# Altium PCB CM3_IO_V1.3_20220317.PcbDoc (part 4 of 7) (continued)
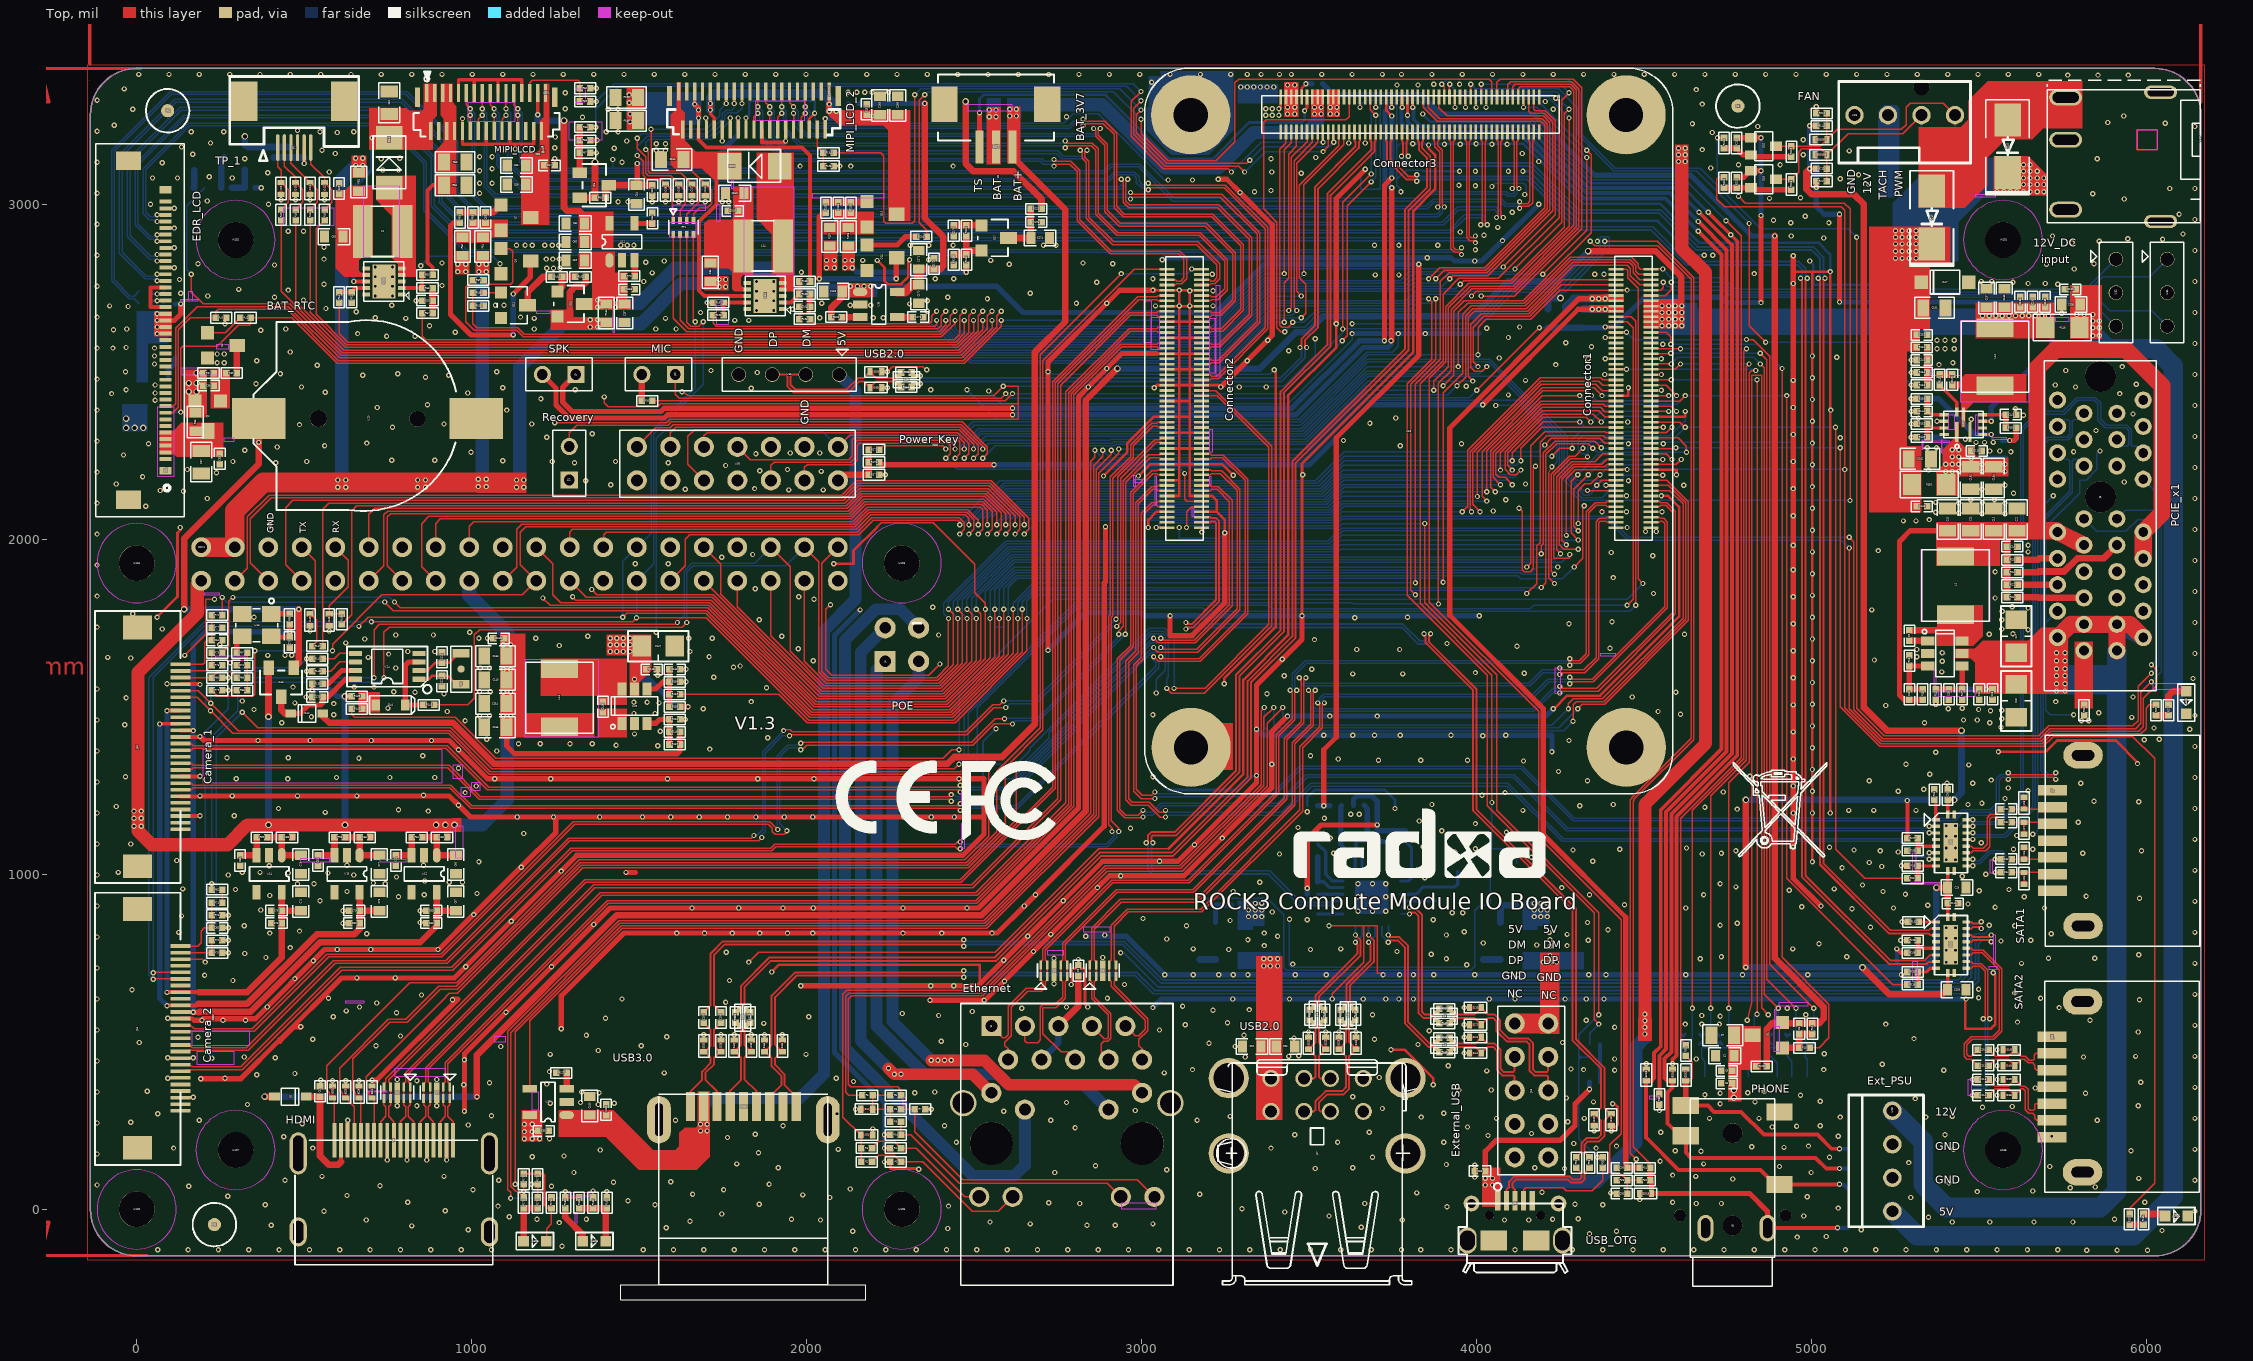
[diagram p0: Top view]
## Nets (pads, with @x,y where several pads share a name; then routed paths per layer and width w, separated by ;. In a path a pad name is that pad's centre, name@x,y a point inside that pad or via, vN(x,y) a via of type N, cw(c..) or ccw(c..) an arc to the next point about the centre after c; other vN are vias at no path point) (continued)
MIPI_CSI_RX_D1N: J14.17 U33.121 | length 3926.1
  Top w3.94: J14.17@131.1,1311.82 163.39,1311.82 169.29,1317.72 929.13,1317.72 1022.44,1224.41 2425.2,1224.41 v1(2431.1,1218.5) ; v1(3057.09,1677.17) 3062.99,1671.26 3164.06,1671.26 3285.43,1792.63 3285.43,2146.1 3234.69,2196.26 3208.66,2196.26 3204.72,2192.32 U33.121@3179.13,2192.32
  Bottom w3.94: v1(2431.1,1218.5) 2440.94,1218.5 2446.85,1224.41 2596.82,1224.41 2813.61,1441.2 2813.61,1447.27 3029.73,1663.39 3043.31,1663.39 v1(3057.09,1677.17)
MIPI_CSI_RX_D1P: J14.16 U33.123 | length 3954.6
  Top w3.94: J14.16@131.1,1331.5 163.39,1331.5 169.29,1325.59 932.4,1325.59 1025.7,1232.28 2425.2,1232.28 v1(2431.1,1238.19) ; v1(3035.43,1677.17) 3035.43,1675.2 3047.24,1663.39 3167.32,1663.39 3293.31,1789.37 3293.31,2150.04 3238.58,2204.13 3208.66,2204.13 3204.72,2208.07 U33.123@3179.13,2208.07
  Bottom w3.94: v1(2431.1,1238.19) 2440.94,1238.19 2446.85,1232.28 2593.56,1232.28 2805.74,1444.46 2805.74,1450.53 3026.46,1671.26 3027.42,1671.26 3034.38,1678.22 v1(3035.43,1677.17)
MIPI_CSI_RX_D2N: J15.14 U33.128 | length 4119.5
  Top w3.94: J15.14@131.1,530.31 155.51,530.31 156.69,531.5 350.39,531.5 572.83,753.94 911.42,753.94 1307.09,1149.61 1885.83,1149.61 1897.64,1137.8 1897.64,1127.95 1905.51,1120.08 1933.09,1120.08 1940.94,1127.94 v1(1940.94,1129.92) ; v1(1982.28,1372.05) 1986.22,1372.05 2000,1385.83 2496.26,1385.83 2560.19,1449.75 2613.24,1449.75 v1(2614.17,1448.82) ; v1(2950.79,1716.54) 2950.28,1716.54 2952.76,1719.01 2952.76,2171.06 3025.59,2243.9 3053.15,2243.9 3057.48,2239.57 U33.128@3075.2,2239.57
  Bottom w3.94: v1(1940.94,1129.92) 1919.29,1151.57 1919.29,1350.39 1946.85,1377.95 1978.35,1377.95 1982.28,1374.02 v1(1982.28,1372.05) ; v1(2614.17,1448.82) 2624.02,1458.66 2692.91,1458.66 v1(2950.79,1716.54)
MIPI_CSI_RX_D2P: J15.13 U33.130 | length 4077.1
  Top w3.94: J15.13@131.1,550 160.63,550 171.26,539.37 344.49,539.37 566.93,761.81 907.48,761.81 1303.15,1157.48 1889.76,1157.48 v1(1913.39,1133.86) ; v1(1982.28,1391.73) 1984.25,1393.7 2492.13,1393.7 2562.99,1464.57 v1(2590.55,1464.57) ; v1(2931.1,1716.54) 2931.1,1726.38 2944.88,1740.16 2944.88,2175.2 3021.65,2251.97 3053.15,2251.97 3056.5,2255.31 U33.130@3075.2,2255.31
  Bottom w3.94: v1(1913.39,1133.86) 1913.39,1135.83 1911.42,1137.8 1911.42,1354.33 1942.91,1385.83 1976.38,1385.83 v1(1982.28,1391.73) ; v1(2590.55,1464.57) 2590.55,1466.54 2688.98,1466.54 2931.1,1708.66 v1(2931.1,1716.54)
MIPI_CSI_RX_D3N: J15.17 U33.134 | length 4095.4
  Top w3.94: J15.17@131.1,471.26 153.54,471.26 156.69,474.41 333.66,474.41 593.5,734.25 927.17,734.25 1293.31,1100.39 1856.3,1100.39 v1(1866.14,1110.24) ; v1(1948.82,1413.39) 1951.77,1416.34 2477.36,1416.34 2559.06,1498.03 v1(2594.49,1498.03) ; v1(2925.2,1740.16) 2937.01,1751.97 2937.01,2183.07 3043.31,2289.37 3059.11,2289.37 3061.67,2286.81 U33.134@3075.2,2286.81
  Bottom w3.94: v1(1866.14,1110.24) 1864.17,1110.24 1864.17,1116.14 1875.98,1127.95 1875.98,1362.2 1927.17,1413.39 v1(1948.82,1413.39) ; v1(2594.49,1498.03) 2606.3,1509.84 2683.07,1509.84 2913.39,1740.16 v1(2925.2,1740.16)
MIPI_CSI_RX_D3P: J15.16 U33.136 | length 4088.4
  Top w3.94: J15.16@131.1,490.94 156.69,490.94 165.35,482.28 326.77,482.28 586.61,742.13 923.23,742.13 1289.37,1108.27 1834.65,1108.27 v1(1842.52,1116.14) ; v1(1931.1,1429.13) 1933.07,1431.1 1950.79,1431.1 1956.69,1425.2 2474.41,1425.2 2555.12,1505.91 2576.77,1505.91 v1(2588.58,1517.72) ; v1(2923.23,1761.81) 2929.13,1767.72 2929.13,2187.01 3019.69,2277.56 3019.69,2277.87 3039.37,2297.55 3053.15,2297.55 3058.16,2302.56 U33.136@3075.2,2302.56
  Bottom w3.94: v1(1842.52,1116.14) 1850.39,1116.14 1868.11,1133.86 1868.11,1366.14 v1(1931.1,1429.13) ; v1(2588.58,1517.72) 2679.13,1517.72 v1(2923.23,1761.81)
MIPI_DSI_TX0_CLKN/LVDS_TX0_CLKN: LCD1.18 U33.169 | length 3040.7
  Top w3.94: LCD1.18@1066.93,3219.5 v1(1066.93,3265.75) ; v1(2958.66,3074.8) 2952.76,3068.9 2952.76,3009.17 2963.89,2998.03 3230.31,2998.03 3328.74,2899.61 3328.74,2669.29 3233.66,2574.21 3208.66,2574.21 3204.72,2570.28 U33.169@3179.13,2570.28
  Bottom w3.94: v1(1066.93,3265.75) 1074.8,3257.87 1074.8,3116.14 1145.67,3045.28 2938.98,3045.28 2952.76,3059.06 2952.76,3068.9 v1(2958.66,3074.8)
MIPI_DSI_TX0_CLKP/LVDS_TX0_CLKP: LCD1.17 U33.171 | length 3030
  Top w3.94: LCD1.17@1055.12,3332.68 1055.12,3297.24 v1(1066.93,3285.43) ; v1(2938.98,3074.8) 2944.88,3068.9 2944.88,3005.91 2960.63,2990.16 3227.05,2990.16 3320.87,2896.34 3320.87,2672.55 3230.4,2582.09 3208.66,2582.09 3204.72,2586.02 U33.171@3179.13,2586.02
  Bottom w3.94: v1(1066.93,3285.43) 1082.68,3269.68 1082.68,3119.4 1148.93,3053.15 2935.04,3053.15 2944.88,3062.99 2944.88,3068.9 v1(2938.98,3074.8)
MIPI_DSI_TX0_D0N/LVDS_TX0_D0N: LCD1.21 U33.157 | length 3147.2
  Top w3.94: v1(1102.36,3285.43) LCD1.21@1102.36,3332.68 ; v1(3019.69,3062.99) 3025.59,3057.09 3250,3057.09 3375.98,2931.1 3375.98,2627.95 3227.76,2479.72 3208.66,2479.72 3204.72,2475.79 U33.157@3179.13,2475.79
  Bottom w3.94: v1(1102.36,3285.43) 1116.14,3271.65 1116.14,3123.34 1162.71,3076.77 2898.31,3076.77 2918,3096.46 2978.35,3096.46 2992.13,3082.68 2992.13,3068.22 3003.26,3057.09 3013.78,3057.09 v1(3019.69,3062.99)
MIPI_DSI_TX0_D0P/LVDS_TX0_D0P: LCD1.20 U33.159 | length 3115.1
  Top w3.94: LCD1.20@1090.55,3219.5 1090.55,3253.94 v1(1102.36,3265.75) ; v1(3019.69,3043.31) 3025.59,3049.21 3246.74,3049.21 3368.11,2927.84 3368.11,2631.21 3224.49,2487.6 3208.66,2487.6 3204.72,2491.54 U33.159@3179.13,2491.54
  Bottom w3.94: v1(1102.36,3265.75) 1108.27,3259.84 1108.27,3120.08 1159.45,3068.9 2901.57,3068.9 2921.26,3088.58 2975.09,3088.58 2984.25,3079.42 2984.25,3064.96 3000,3049.21 3013.78,3049.21 v1(3019.69,3043.31)
MIPI_DSI_TX0_D1N/LVDS_TX0_D1N: LCD1.15 U33.163 | length 3144.9
  Top w3.94: v1(1031.5,3285.43) LCD1.15@1031.49,3332.68 ; v1(2966.54,3035.43) 2972.44,3029.53 3238.19,3029.53 3352.36,2915.35 3352.36,2647.64 3231.69,2526.97 3208.66,2526.97 3204.72,2523.03 U33.163@3179.13,2523.03
  Bottom w3.94: v1(1031.5,3285.43) 1045.28,3271.65 1045.28,3056.41 1072.16,3029.53 2960.63,3029.53 v1(2966.54,3035.43)
MIPI_DSI_TX0_D1P/LVDS_TX0_D1P: LCD1.14 U33.165 | length 3112.8
  Top w3.94: LCD1.14@1019.68,3219.5 1019.68,3253.94 v1(1031.5,3265.75) ; v1(2966.54,3015.75) 2972.44,3021.65 3234.93,3021.65 3344.49,2912.09 3344.49,2650.9 3228.43,2534.84 3208.66,2534.84 3204.72,2538.78 U33.165@3179.13,2538.78
  Bottom w3.94: v1(1031.5,3265.75) 1037.4,3259.84 1037.4,3053.15 1068.9,3021.65 2960.63,3021.65 v1(2966.54,3015.75)
MIPI_DSI_TX0_D2N/LVDS_TX0_D2N: J24.3 LCD1.12 | length 3707.8
  Top w3.94: LCD1.12@996.06,3219.5 v1(996.06,3265.75) ; v1(4127.95,2988.19) 4133.86,2994.09 4155.51,2994.09 4166.73,3005.31 4166.73,3187.01 4170.67,3190.94 J24.3@4170.67,3216.14
  Bottom w3.94: v1(996.06,3265.75) 1001.97,3259.84 1001.97,3023.62 1039.37,2986.22 3832.68,2986.22 3851.69,2986.22 3873.34,3007.87 4070.87,3007.87 4084.65,2994.09 4122.05,2994.09 v1(4127.95,2988.19)
MIPI_DSI_TX0_D2P/LVDS_TX0_D2P: J24.5 LCD1.11 | length 3712.9
  Top w3.94: LCD1.11@984.25,3332.68 984.25,3297.24 v1(996.06,3285.43) ; v1(4127.95,3007.87) 4133.86,3001.97 4151.57,3001.97 4158.86,3009.25 4158.86,3187.01 4154.92,3190.94 J24.5@4154.92,3216.14
  Bottom w3.94: v1(996.06,3285.43) 1009.84,3271.65 1009.84,3026.88 1042.63,2994.09 3848.43,2994.09 3870.08,3015.75 4041.34,3015.75 4074.13,3015.75 4087.91,3001.97 4120.08,3001.97 4127.95,3009.84 v1(4127.95,3007.87)
MIPI_DSI_TX0_D3N/LVDS_TX0_D3N: J24.9 LCD1.24 | length 3434.9
  Top w3.94: LCD1.24@1137.79,3219.5 v1(1137.8,3265.75) ; J24.9@4123.43,3216.14 4123.43,3190.94 4119.49,3187.01 4119.49,3053.15 4120.08,3053.15 v1(4125.98,3047.24)
  Bottom w3.94: v1(1137.8,3265.75) 1143.7,3259.84 1143.7,3125.98 1177.17,3092.52 2889.76,3092.52 2909.45,3112.2 2990.83,3112.2 3093.2,3009.84 3791.34,3009.84 3835.94,3009.84 3855.62,3029.53 4086.61,3029.53 4092.52,3023.62 4112.2,3023.62 4120.08,3031.5 4120.08,3041.34 v1(4125.98,3047.24)
MIPI_DSI_TX0_D3P/LVDS_TX0_D3P: J24.11 LCD1.23 | length 3436.4
  Top w3.94: LCD1.23@1125.98,3332.68 1125.98,3297.24 v1(1137.8,3285.43) ; v1(4106.3,3047.24) 4106.3,3047.83 4111.61,3053.15 4111.61,3187.01 4107.68,3190.94 J24.11@4107.68,3216.14
  Bottom w3.94: v1(1137.8,3285.43) 1151.57,3271.65 1151.57,3129.25 1180.43,3100.39 2886.5,3100.39 2906.19,3120.08 2994.09,3120.08 3096.46,3017.72 3832.68,3017.72 3852.36,3037.4 4082.68,3037.4 4089.88,3037.4 4095.78,3031.5 4108.27,3031.5 4112.2,3035.43 4112.2,3041.34 v1(4106.3,3047.24)
MIPI_DSI_TX1_CLKN: U33.187 U90074.13 | length 1892.7
  Top w3.94: v1(1925.2,3291.34) U90074.13@1925.2,3336.61 ; v1(2771.65,3188.98) 2777.56,3183.07 2852.36,3183.07 2870.08,3165.35 2870.08,2973.73 2928.46,2915.35 3174.86,2915.35 3255.91,2834.31 3255.91,2744.09 3226.38,2715.94 3208.66,2715.94 3204.72,2712.01 U33.187@3179.13,2712.01
  Bottom w3.94: v1(1925.2,3291.34) 1938.98,3277.56 1938.98,3225.7 1981.61,3183.07 2765.75,3183.07 v1(2771.65,3188.98)
MIPI_DSI_TX1_CLKP: U33.189 U90074.14 | length 1864.5
  Top w3.94: U90074.14@1913.39,3223.43 1913.39,3259.84 v1(1925.2,3271.65) ; v1(2771.65,3169.29) 2777.56,3175.2 2849.1,3175.2 2862.2,3162.09 2862.2,2970.47 2925.2,2907.48 3171.6,2907.48 3248.03,2831.05 3248.03,2747.57 3223.12,2723.82 3208.66,2723.82 3204.72,2727.76 U33.189@3179.13,2727.76
  Bottom w3.94: v1(1925.2,3271.65) 1931.1,3265.75 1931.1,3222.44 1978.35,3175.2 2765.75,3175.2 v1(2771.65,3169.29)
MIPI_DSI_TX1_D0N: U33.175 U90074.7 | length 2032.6
  Top w3.94: v1(1996.06,3291.34) U90074.7@1996.06,3336.61 ; v1(2824.8,3253.94) 2830.71,3248.03 2889.76,3248.03 2925.2,3212.6 2925.2,2993.76 2948.48,2970.47 3212.26,2970.47 3303.15,2879.58 3303.15,2876.32 3303.15,2683.41 3241.2,2621.46 3208.66,2621.46 3204.72,2617.52 U33.175@3179.13,2617.52
  Bottom w3.94: v1(1996.06,3291.34) 2009.84,3277.56 2009.84,3247.36 2022.95,3234.25 2781.5,3234.25 2795.28,3248.03 2818.9,3248.03 v1(2824.8,3253.94)
MIPI_DSI_TX1_D0P: U33.177 U90074.8 | length 2004
  Top w3.94: U90074.8@1984.25,3223.43 1984.25,3259.84 v1(1996.06,3271.65) ; v1(2824.8,3234.25) 2830.71,3240.16 2885.83,3240.16 2917.32,3208.66 2917.32,2990.5 2945.22,2962.6 3209,2962.6 3295.28,2876.32 3295.28,2686.67 3237.94,2629.33 3208.66,2629.33 3204.72,2633.27 U33.177@3179.13,2633.27
  Bottom w3.94: v1(1996.06,3271.65) 2001.97,3265.75 2001.97,3244.09 2019.69,3226.38 2649.61,3226.38 2784.76,3226.38 2798.54,3240.16 2818.9,3240.16 v1(2824.8,3234.25)
MIPI_DSI_TX1_D1N: U33.181 U90074.10 | length 1983.6
  Top w3.94: U90074.10@1960.63,3223.43 v1(1960.63,3271.65) ; v1(2875.98,3226.38) 2870.08,3220.47 2870.08,3206.69 2897.64,3179.13 2897.64,2981.61 2936.33,2942.91 3192.58,2942.91 3279.53,2855.96 3279.53,2712.6 3236.22,2668.7 3208.66,2668.7 3204.72,2664.76 U33.181@3179.13,2664.76
  Bottom w3.94: v1(1960.63,3271.65) 1966.54,3265.75 1966.54,3232.28 1996.06,3202.76 2862.2,3202.76 2870.08,3210.63 2870.08,3220.47 v1(2875.98,3226.38)
MIPI_DSI_TX1_D1P: U33.183 U90074.11 | length 1968.9
  Top w3.94: U90074.11@1948.82,3336.61 1948.82,3303.15 v1(1960.63,3291.34) ; v1(2856.3,3226.38) 2862.2,3220.47 2862.2,3208.66 2862.2,3203.43 2889.76,3175.87 2889.76,2978.35 2933.07,2935.04 3189.31,2935.04 3271.65,2852.7 3271.65,2715.86 3232.9,2676.57 3208.66,2676.57 3204.72,2680.51 U33.183@3179.13,2680.51
  Bottom w3.94: v1(1960.63,3291.34) 1974.41,3277.56 1974.41,3235.54 1999.32,3210.63 2858.27,3210.63 2862.2,3214.57 2862.2,3220.47 v1(2856.3,3226.38)
MIPI_DSI_TX1_D2N: U33.193 U90074.16 | length 1868.2
  Top w3.94: U90074.16@1889.76,3223.43 v1(1889.76,3271.65) ; v1(2836.61,3161.42) 2830.71,3155.51 2830.71,3141.06 2842.52,3129.25 2842.52,2961.92 2916.65,2887.8 3166.99,2887.8 3232.28,2822.5 3232.28,2777.34 3218.13,2763.19 3207.48,2763.19 3203.54,2759.25 U33.193@3179.13,2759.25
  Bottom w3.94: v1(1889.76,3271.65) 1895.67,3265.75 1895.67,3198.82 1942.91,3151.57 2746.06,3151.57 2761.81,3135.83 2822.83,3135.83 2830.71,3143.7 2830.71,3155.51 v1(2836.61,3161.42)
MIPI_DSI_TX1_D2P: U33.195 U90074.17 | length 1853.2
  Top w3.94: U90074.17@1877.95,3336.61 1877.95,3303.15 v1(1889.76,3291.34) ; v1(2816.93,3161.42) 2822.83,3155.51 2822.83,3137.8 2834.65,3125.98 2834.65,2958.66 2913.39,2879.92 3163.72,2879.92 3224.41,2819.24 3224.41,2780.6 3214.87,2771.06 3207.48,2771.06 3203.54,2775 U33.195@3179.13,2775
  Bottom w3.94: v1(1889.76,3291.34) 1903.54,3277.56 1903.54,3202.76 1946.85,3159.45 2746.06,3159.45 2749.32,3159.45 2765.07,3143.7 2818.9,3143.7 2822.83,3147.64 2822.83,3155.51 v1(2816.93,3161.42)
MIPI_DSI_TX1_D3N: U33.194 U90074.19 | length 1776.3
  Top w3.94: v1(1854.33,3291.34) U90074.19@1854.33,3336.61 ; v1(2738.19,3133.86) 2744.09,3127.95 2775.59,3127.95 2788.69,3127.95 2814.96,3101.69 2814.96,2954.05 2908.77,2860.24 3113.84,2860.24 3133.86,2840.21 3133.86,2777.31 3119.74,2763.19 3104.33,2763.19 3100.39,2759.25 U33.194@3075.2,2759.25
  Bottom w3.94: v1(1854.33,3291.34) 1868.11,3277.56 1868.11,3202.08 1934.36,3135.83 2663.39,3135.83 2702.08,3135.83 2709.95,3127.95 2732.28,3127.95 v1(2738.19,3133.86)
MIPI_DSI_TX1_D3P: U33.196 U90074.20 | length 1748.1
  Top w3.94: U90074.20@1842.52,3223.43 1842.52,3259.84 v1(1854.33,3271.65) ; v1(2738.19,3114.17) 2744.09,3120.08 2785.43,3120.08 2807.09,3098.42 2807.09,2950.79 2905.51,2852.36 3110.57,2852.36 3125.98,2836.95 3125.98,2780.57 3116.48,2771.06 3104.33,2771.06 3100.39,2775 U33.196@3075.2,2775
  Bottom w3.94: v1(1854.33,3271.65) 1860.24,3265.75 1860.24,3198.82 1931.1,3127.95 2698.82,3127.95 2706.69,3120.08 2732.28,3120.08 v1(2738.19,3114.17)
MIPI_LCD_BL_1: J24.36 R57.1 | length 4587.6
  Top w3.94: R57.1@852.36,2675.2 852.36,2606.3 862.2,2596.46 2441.12,2596.46 2456.69,2612.03 2456.69,2667.32 v1(2470.47,2681.1) ; J24.36@3918.7,3320.08 3918.7,3357.68 v1(3919.29,3358.27) ; v1(3950.79,2761.81) 3960.63,2771.65 4101.8,2771.65 4261.81,2931.66 4261.81,3269.68 v1(4275.59,3283.46)
  Bottom w3.94: v1(2470.47,2681.1) 2456.69,2667.32 2456.69,2625.87 2509.73,2572.83 3236.34,2572.83 3376.1,2712.6 3789.37,2712.6 3824.8,2748.03 3937.01,2748.03 v1(3950.79,2761.81) ; v1(3919.29,3358.27) 3940.94,3336.61 4238.19,3336.61 4253.94,3320.87 4253.94,3305.12 v1(4275.59,3283.46)
MIPI_LCD_BL_2: J24.93 R193.1 | length 2187
  Top w3.94: R193.1@2009.84,2657.48 2023.62,2643.7 2366.14,2643.7 2374.02,2651.57 2374.02,2667.32 v1(2387.8,2681.1) ; v1(3425.2,2647.64) 3425.2,2765.75 3438.98,2779.53 3438.98,3150.2 3462.01,3173.23 J24.93@3462.01,3216.14
  Bottom w3.94: v1(2387.8,2681.1) 2374.02,2667.32 2374.02,2641.73 2490.16,2525.59 3255.91,2525.59 3377.95,2647.64 v1(3425.2,2647.64)
MIPI_LCD_EN_1: J24.18 R69.1 | length 4452.8
  Top w3.94: R69.1@1003.94,2773.62 982.28,2751.97 982.28,2649.61 1007.87,2624.02 1133.86,2624.02 1153.54,2604.33 2401.57,2604.33 2442.91,2645.67 v1(2442.91,2653.54) ; v1(4013.78,2726.38) 4112.2,2726.38 4312.99,2927.17 4312.99,3348.43 4287.4,3374.02 4070.28,3374.02 4060.43,3364.17 J24.18@4060.43,3320.08
  Bottom w3.94: v1(2442.91,2653.54) 2442.91,2628.51 2506.47,2564.96 3239.6,2564.96 3379.36,2704.72 3795.28,2704.72 3830.71,2740.16 4000,2740.16 v1(4013.78,2726.38)
MIPI_LCD_EN_2: J24.20 R204.1 | length 2499.2
  Top w3.94: v1(2352.36,3326.77) 2336.61,3311.02 2336.61,2944.88 2358.27,2923.23 R204.1@2358.27,2903.54 ; v1(2998.03,3253.94) 2998.03,3210.57 3078.68,3129.92 3220.47,3129.92 3277.56,3187.01 3277.56,3362.2 3289.37,3374.02 4036.81,3374.02 4044.69,3366.14 J24.20@4044.69,3320.08
  Bottom w3.94: v1(2352.36,3326.77) 2362.2,3336.61 2915.35,3336.61 v1(2998.03,3253.94)
MIPI_RESET_1: J24.83 R59.1 | length 2506.5
  Top w3.94: R59.1@1354.33,3307.09 v1(1372.05,3307.09) ; v1(2998.03,3336.61) 2968.5,3307.09 2968.5,3202.76 3064.96,3106.3 3257.87,3106.3 v1(3267.72,3096.46) ; J24.83@3540.75,3216.14 3541.34,3215.55 v1(3541.34,3185.04)
  Bottom w3.94: v1(1372.05,3307.09) 1425.2,3360.24 2974.41,3360.24 v1(2998.03,3336.61) ; v1(3267.72,3096.46) 3356.3,3185.04 v1(3541.34,3185.04)
MIPI_RESET_2: J24.79 R194.1 | length 2289.2
  Top w3.94: R194.1@2080.71,3153.54 2220.47,3153.54 2230.31,3143.7 2230.31,2948.82 2236.22,2942.91 2314.96,2942.91 2322.83,2950.79 v1(2322.83,3326.77) ; v1(2998.03,3281.5) 2984.25,3267.72 2984.25,3213.22 3075.42,3122.05 3312.99,3122.05 v1(3322.83,3131.89) ; J24.79@3572.24,3216.14 3572.83,3215.55 v1(3572.83,3185.04)
  Bottom w3.94: v1(2322.83,3326.77) 2340.55,3344.49 2935.04,3344.49 v1(2998.03,3281.5) ; v1(3322.83,3131.89) 3362.2,3171.26 3559.06,3171.26 v1(3572.83,3185.04)
N17781029: LED3.1 R175.2 R178.2 | length 140.4
  Top w19.68: LED3.1@1154.78,-94.43 1155.51,-94.43 R175.2@1155.51,3.94 R178.2@1196.85,3.94
N17781033: LED4.1 R180.2 | length 120.1
  Top w19.68: R180.2@1279.53,3.94 1279.53,-23.62 1331.95,-76.04 LED4.1@1331.95,-94.43
N17781361: LED3.2 R173.1 R174.1 R179.1 | length 280.5
  Top w3.94: LED3.2@1223.17,-94.54 1224.41,-93.31 1224.41,-57.09 1238.19,-43.31 R174.1@1238.19,3.94
  Top w7.87: R173.1@1155.51,106.3 R179.1@1196.85,106.3 1212.6,106.3 1216.54,102.36 1216.54,15.75 1228.35,3.94 R174.1@1238.19,3.94
N17782008: LED4.2 R181.1 R182.1 R183.1 | length 182.5
  Top w19.68: R181.1@1320.87,3.94 R183.1@1362.2,3.94 R182.1@1403.54,3.94 1400.34,0.73 LED4.2@1400.34,-94.54
N17782924: R172.1 R176.1 R177.1 U30.13 | length 173.5
  Top w19.68: U30.13@2093.31,2175.98 2110.24,2192.91 R177.1@2185.04,2192.91 R176.1@2185.04,2230.31 R172.1@2185.04,2267.72
N17810979: J6.A1 R20.1 | length 162.1
  Top w19.68: 5812.2,1529.53 5812.2,1506.69 R20.1@5812.99,1505.91
  Top w51.18: 5812.2,1529.53 J6.A1@5812.2,1667.72
N17813907: C19.1 R14.2 R17.1 U7.4 | length 147.6
  Top w15.75: R14.2@5370.08,1553.15 C19.1@5409.45,1553.15 R17.1@5448.82,1553.15 U7.4@5448.82,1622.05
N17813952: C9.2 L1.1 U7.6 | length 189
  Top w19.68: C9.2@5291.34,1728.35 5448.82,1728.35 U7.6@5448.82,1696.85
N17813954: C9.1 U7.1 | length 55.1
  Top w19.68: C9.1@5291.34,1696.85 U7.1@5346.46,1696.85
N17813970: C12.2 R15.2 R18.1 U7.3 | length 163.4
  Top w15.75: R15.2@5330.71,1553.15 C12.2@5291.34,1553.15 R18.1@5291.34,1622.05 U7.3@5346.46,1622.05
N17814312: J6.B9 R24.2 | length 330.1
  Top w19.68: R24.2@5614.17,1901.57 5675.49,1901.57 5677.85,1903.94 5753.15,1903.94 5792.52,1943.31 5871.26,1943.31 J6.B9@5910.63,1982.68
N17814521: J6.A6 R22.1 | length 119.5
  Top w19.68: R22.1@5614.17,1864.17 5665.75,1864.17 5666.14,1864.57 J6.A6@5733.46,1864.57
N17814522: J6.A8 R23.1 | length 121.1
  Top w19.68: R23.1@5614.17,1938.98 5675.49,1938.98 5679.82,1943.31 J6.A8@5733.46,1943.31
N17814531: J6.A5 R21.1 | length 198.7
  Top w19.68: R21.1@5614.17,1826.77 5676.6,1826.77 5678.18,1825.2 J6.A5@5812.2,1825.2
N17820323: J16.2 R92.1 | length 324.3
  Top w5.91: J16.2@4088.58,25.59 4088.58,59.06 4096.46,66.93 4096.46,82.68 4112.2,98.43 4276.71,98.43 4285.57,89.57 4308,89.57 4312.01,93.57 4312.01,109.25 R92.1@4297.24,124.02
N17820324: J16.3 R93.1 | length 324.3
  Top w5.91: J16.3@4114.17,25.59 4114.17,59.06 4106.3,66.93 4106.3,78.6 4116.28,88.58 4272.64,88.58 4281.5,79.72 4312.08,79.72 4321.85,89.5 4321.85,109.25 R93.1@4336.61,124.02
N17820781: R98.1 R99.1 R100.1 R101.1 | length 112.2
  Bottom w11.81: R100.1@4368.11,379.92 R101.1@4368.11,417.32 R99.1@4368.11,454.72 R98.1@4368.11,492.13
N17835631: D22.2 J17.3 L6.1 R110.2 | length 395.2
  Top w3.94: L6.1@3626.97,554.13 3627.95,555.11 R110.2@3637.8,564.96
  Top w5.91: J17.3@3562.99,292.52 3533.46,292.52 3528.54,297.44 3528.54,318.83 3553.22,343.5 3602.43,343.5 3619.09,360.17 3619.09,457.68 D22.2@3639.76,478.35 3619.09,499.02 3619.09,546.25 L6.1@3626.97,554.13
N17835635: D23.2 J17.2 L6.3 R112.2 | length 393.6
  Top w3.94: R112.2@3594.49,564.96 3604.33,555.12 L6.3@3605.31,554.13
  Top w5.91: J17.2@3484.25,292.52 3513.78,292.52 3518.7,297.44 3518.7,322.9 3549.14,353.35 3598.36,353.35 3609.25,364.24 3609.25,457.68 D23.2@3588.58,478.35 3609.25,499.02 3609.25,550.19 L6.3@3605.31,554.13
N17835643: D21.2 J17.7 L5.1 R109.2 | length 230.8
  Top w3.94: L5.1@3534.45,556.1 3536.41,556.1 R109.2@3545.28,564.96
  Top w5.91: L5.1@3534.45,556.1 3528.54,550.19 3528.54,499.02 D21.2@3549.21,478.35 3528.54,457.68 3528.54,395.87 3533.46,390.94 J17.7@3562.99,390.94
N17835661: D20.2 J17.6 L5.3 R111.2 | length 231.6
  Top w3.94: R111.2@3501.97,564.96 3511.81,555.12 L5.3@3512.79,556.1
  Top w5.91: J17.6@3484.25,390.94 3513.78,390.94 3518.7,395.87 3518.7,457.68 D20.2@3498.03,478.35 3518.7,499.02 3518.7,550.19 L5.3@3512.79,556.1
N17836003: R115.1 U18.3 | length 47.2
  Bottom w19.68: R115.1@3173.23,746.06 U18.3@3220.47,746.06
N17837061: D26.2 J18.4 L8.1 R117.2 | length 496.1
  Top w3.94: R117.2@3919.29,598.43 3919.29,596.46 L8.1@3928.15,587.6
  Top w5.91: L8.1@3928.15,587.6 3934.06,581.69 3993.11,581.69 D26.2@4013.78,602.36 4034.45,581.69 4053.29,581.69 4068.9,566.08 4068.9,536.49 4094.56,510.83 4153.61,510.83 4167.32,497.12 4167.32,418.38 4175.66,410.04 4208.48,410.04 4213.39,414.95 J18.4@4213.39,455.12
N17837065: D27.2 J18.6 L8.3 R122.2 | length 496.1
  Top w3.94: R122.2@3919.29,555.12 3919.29,557.08 L8.3@3928.15,565.94
  Top w5.91: L8.3@3928.15,565.94 3934.06,571.85 3993.11,571.85 D27.2@4013.78,551.18 4034.45,571.85 4049.21,571.85 4059.06,562.01 4059.06,532.41 4090.48,500.98 4149.54,500.98 4157.48,493.04 4157.48,414.3 4171.58,400.2 4208.48,400.2 4213.39,395.29 J18.6@4213.39,355.12
N17837073: D25.2 J18.3 L7.1 R116.2 | length 333.4
  Top w3.94: R116.2@3919.29,511.81 L7.1@3929.6,501.51 ; L7.1@3928.15,500.99 3931.11,498.03 L7.1@3933.07,498.03
  Top w5.91: L7.1@3929.6,501.51 3933.07,498.03 3936.02,495.08 3995.08,495.08 D25.2@4013.78,513.78 4032.48,495.08 4053.15,495.08 4070.87,476.38 4070.87,420.02 4080.85,410.04 4108.46,410.04 4113.39,414.96 J18.3@4113.39,455.12
N17837091: D24.2 J18.5 L7.3 R121.2 | length 329.1
  Top w3.94: R121.2@3919.29,468.5 3929.13,478.35 L7.3@3928.15,479.33
  Top w5.91: L7.3@3928.15,479.33 3934.06,485.24 3995.08,485.24 D24.2@4013.78,466.54 4032.48,485.24 4048.77,485.24 4061.02,472.3 4061.02,415.94 4076.77,400.2 4108.46,400.2 4113.39,395.28 J18.5@4113.39,355.12
N17839966: R118.2 R120.1 U19.4 | length 98.4
  Bottom w19.68: U19.4@4070.87,856.3 R120.1@4070.87,907.48 R118.2@4118.11,907.48
N17839975: R119.1 U19.3 | length 51.2
  Bottom w19.68: R119.1@4019.69,746.06 U19.3@4070.87,746.06
N17840574: D45.1 D46.1 U37.1
N17841639: R140.2 U24.6 | length 109.9
  Top w3.94: R140.2@555.12,1606.3 578.74,1606.3 606.41,1633.97 U24.6@653.53,1633.97
N17841777: D44.1 R139.2 R142.2
N17841779: R141.2 U24.5 | length 105
  Top w3.94: R141.2@555.12,1643.7 590.44,1643.7 606.3,1659.56 U24.5@653.53,1659.56
N17841795: C124.1 U24.2 Y2.2 | length 147.1
  Top w7.87: U24.2@842.51,1608.38 868.11,1608.38 891.62,1631.89 C124.1@911.42,1631.89 933.07,1631.89 960.63,1659.45 Y2.2@968.5,1659.45
N17841829: C123.1 U24.1 Y2.1 | length 140.6
  Top w7.87: U24.1@842.51,1582.79 872.05,1582.79 881.78,1592.52 C123.1@911.42,1592.52 929.13,1592.52 952.76,1568.9 966.54,1568.9 Y2.1@968.5,1566.93
N17841853: D44.2 R143.2 U24.3 | length 217.5
  Top w15.75: U24.3@842.51,1633.97 811.72,1633.97 801.77,1624.02 D44.2@801.77,1505.91 R143.2@856.3,1505.91
N17857255: J16.4 R95.1 | length 326.7
  Top w3.94: J16.4@4139.76,25.59 4139.76,59.06 4145.67,64.96 4257.87,64.96 4267.72,55.12 4344.49,55.12 4375.98,86.61 R95.1@4375.98,124.02
N17857883: D30.2 L10.1 R124.2 U36.3 | length 461.6
  Top w3.94: L10.1@2272.63,2465.55 2281.5,2456.69 R124.2@2281.5,2454.72
  Top w5.91: U36.3@1897.24,2491.73 1937.41,2491.73 1942.32,2486.82 1942.32,2456.69 1961.02,2437.99 2124.09,2437.99 2157.55,2471.46 2170.28,2471.46 D30.2@2188.98,2452.76 2207.68,2471.46 2266.73,2471.46 L10.1@2272.63,2465.55
N17857891: D31.2 L10.3 R126.2 U36.2 | length 445.3
  Top w3.94: L10.3@2272.63,2487.21 2281.5,2496.07 R126.2@2281.5,2498.03
  Top w5.91: U36.2@1997.24,2491.73 1957.08,2491.73 1952.17,2486.82 1952.17,2460.77 1965.1,2447.83 2120.01,2447.83 2153.47,2481.3 2170.28,2481.3 D31.2@2188.98,2500 2207.68,2481.3 2266.73,2481.3 L10.3@2272.63,2487.21
N17858999: D37.2 L11.2 R128.1 USB6.2 | length 289.7
  Top w5.91: USB6.2@1771.65,307.09 1771.65,354.33 1804.13,386.81 1804.13,452.76 1792.2,464.69 D37.2@1783.46,470.47 1804.13,491.14 1804.13,542.32 L11.2@1798.23,548.22 1789.36,557.09 R128.1@1787.4,557.09
N17859001: D36.2 L11.4 R129.1 USB6.3 | length 291.4
  Top w5.91: R129.1@1830.71,557.09 1828.75,557.09 L11.4@1819.89,548.22 1813.98,542.32 1813.98,491.14 D36.2@1834.65,470.47 1825.91,464.69 1813.98,452.76 1813.98,388.78 1850.39,352.36 USB6.3@1850.39,307.09
N17859027: C106.2 D33.2 USB6.8 | length 302.7
  Top w5.91: USB6.8@1732.28,307.09 1732.28,352.36 1697.83,386.81 1697.83,407.41 1723.43,433 1723.43,452.76 1735.36,464.69 D33.2@1744.09,470.47 1735.36,476.26 1723.43,488.19 1723.43,528.54 1723.43,536.42 C106.2@1744.09,557.09
N17859034: C107.2 D32.2 USB6.9 | length 302.7
  Top w5.91: USB6.9@1653.54,307.09 1653.54,352.36 1687.99,386.81 1687.99,411.49 1713.58,437.08 1713.58,452.76 1701.65,464.69 D32.2@1692.91,470.47 1701.65,476.26 1713.58,488.19 1713.58,528.54 1713.58,536.42 C107.2@1692.91,557.09
N17860878: R127.1 U20.3 | length 47.2
  Top w19.68: U20.3@1283.47,360.24 R127.1@1283.46,407.48
N17862900: R113.2 R114.1 U18.4 | length 98.4
  Bottom w15.75: U18.4@3220.47,856.3 R114.1@3220.47,907.48 R113.2@3267.72,907.48
N17863952: Q9.1 R107.1 | length 49.4
  Bottom w3.94: R107.1@4118.11,1076.77 R107.1@4119.71,1078.37 ; Q9.1@4119.71,1031.59 R107.1@4119.71,1078.37 ; R107.1@4119.71,1078.74 R107.1@4119.71,1078.37
N17864426: ED17.1 J8.4 R31.1 TP3.1 | length 707.4
  Top w3.94: ED17.1@4624.02,383.86 4635.83,383.86 4643.7,391.73 4643.7,435.04 4643.7,438.98 R31.1@4624.02,458.66
  Top w11.81: J8.4@4624.02,310.24 4689.76,310.24 4708.66,291.34 4789.37,291.34 4857.09,223.62 5016.54,223.62 5059.06,181.1 v1(5082.68,181.1)
  Top w15.75: J8.4@4624.02,310.24 ED17.1@4624.02,383.86
  Bottom w11.81: v1(5082.68,181.1) TP3.1@5106.3,181.1
N17865135: J10.2 R35.1 | length 78.9
  Top w19.68: R35.1@1507.87,2413.39 1508.27,2413.78 J10.2@1508.27,2492.13
N17865367: J24.92 R184.2 | length 63
  Top w7.87: J24.92@3477.76,3320.08 3477.76,3347.83 v1(3490.16,3360.24)
  Bottom w15.75: v1(3490.16,3360.24) R184.2@3507.87,3360.24
N17866405: C141.1 R151.1 R153.2 R154.2 | length 112.2
  Top w19.68: R153.2@5344.49,2460.63 R154.2@5344.49,2498.03 C141.1@5344.49,2535.43 R151.1@5344.49,2572.83
N17867136: C153.1 R158.2 R159.2 R160.1 U29.4 | length 188.1
  Top w15.75: U29.4@1523.62,1553.15 1549.21,1553.15 1570.87,1574.8 R160.1@1590.55,1574.8 ; R158.2@1590.55,1500 R159.2@1590.55,1537.4 R160.1@1590.55,1574.8 ; C153.1@1590.55,1612.2 R160.1@1590.55,1574.8
N17867309: Q10.1 R163.1 R164.1 | length 88.1
  Top w19.68: Q10.1@1256.28,2740.26 1269.69,2753.67 R164.1@1269.69,2783.46 R163.1@1309.06,2783.46
N17867352: Q11.1 R165.1 | length 51.6
  Top w3.94: R165.1@1035.43,2736.22 1035.53,2736.32 Q11.1@1086.98,2736.32
N17867429: Q11.3 R164.2 | length 129.1
  Top w19.68: Q11.3@1166.98,2698.82 1166.98,2737.85 1212.6,2783.46 R164.2@1238.19,2783.46
N17923199: C55.1 Q7.2 R62.2 R64.2 R65.1
N17923219: LCD1.27 R59.2 R60.1 | length 241.9
  Top w3.94: LCD1.27@1173.23,3332.68 1173.23,3362.2 1181.1,3370.07 1316.93,3370.07 1322.83,3364.17 R60.1@1322.83,3346.46 R59.2@1322.83,3307.09
N17923325: C55.2 Q7.1 R65.2 R68.1 | length 132
  Top w19.68: R68.1@964.57,2976.38 R65.2@1003.94,2976.38 C55.2@1041.34,2976.38 1065.11,2976.38 Q7.1@1087.36,2998.63
N17923337: Q8.3 R68.2 | length 749.9
  Top w15.75: R68.2@964.57,2944.88 946.85,2944.88 937.01,2935.04 937.01,2793.31 937.01,2671.26 998.03,2610.24 v1(1124.02,2610.24) ; v1(1124.02,2732.28) 1175.2,2783.46 1175.2,2829.49 Q8.3@1176.42,2830.71
  Bottom w15.75: v1(1124.02,2610.24) v1(1124.02,2732.28)
N17923349: Q8.1 R69.2 | length 224.7
  Top w3.94: R69.2@1035.43,2773.62 1047.24,2761.81 1116.14,2761.81 1122.05,2767.72 1122.05,2860.24 1114.17,2868.11 1087.96,2868.11 Q8.1@1087.36,2868.71
N17923771: C49.1 C50.1 FB1.2 L2.1 U10.7 | length 170.4
  Top w11.81: C50.1@616.14,2903.54 616.14,2811.02 637.8,2789.37 U10.7@685.04,2789.37
N17923777: D13.1 L2.2 U10.4 U10.5
N17923779: R53.1 R58.2 U10.2 | length 100.8
  Top w11.81: U10.2@790.94,2750 R58.2@852.36,2750 R53.1@852.36,2789.37
N17923781: C53.2 R57.2 R58.1 | length 74.8
  Top w19.68: R57.2@883.86,2675.2 C53.2@883.86,2712.6 R58.1@883.86,2750